# KiCad board data-center-dram-tester.kicad_pcb (continued)
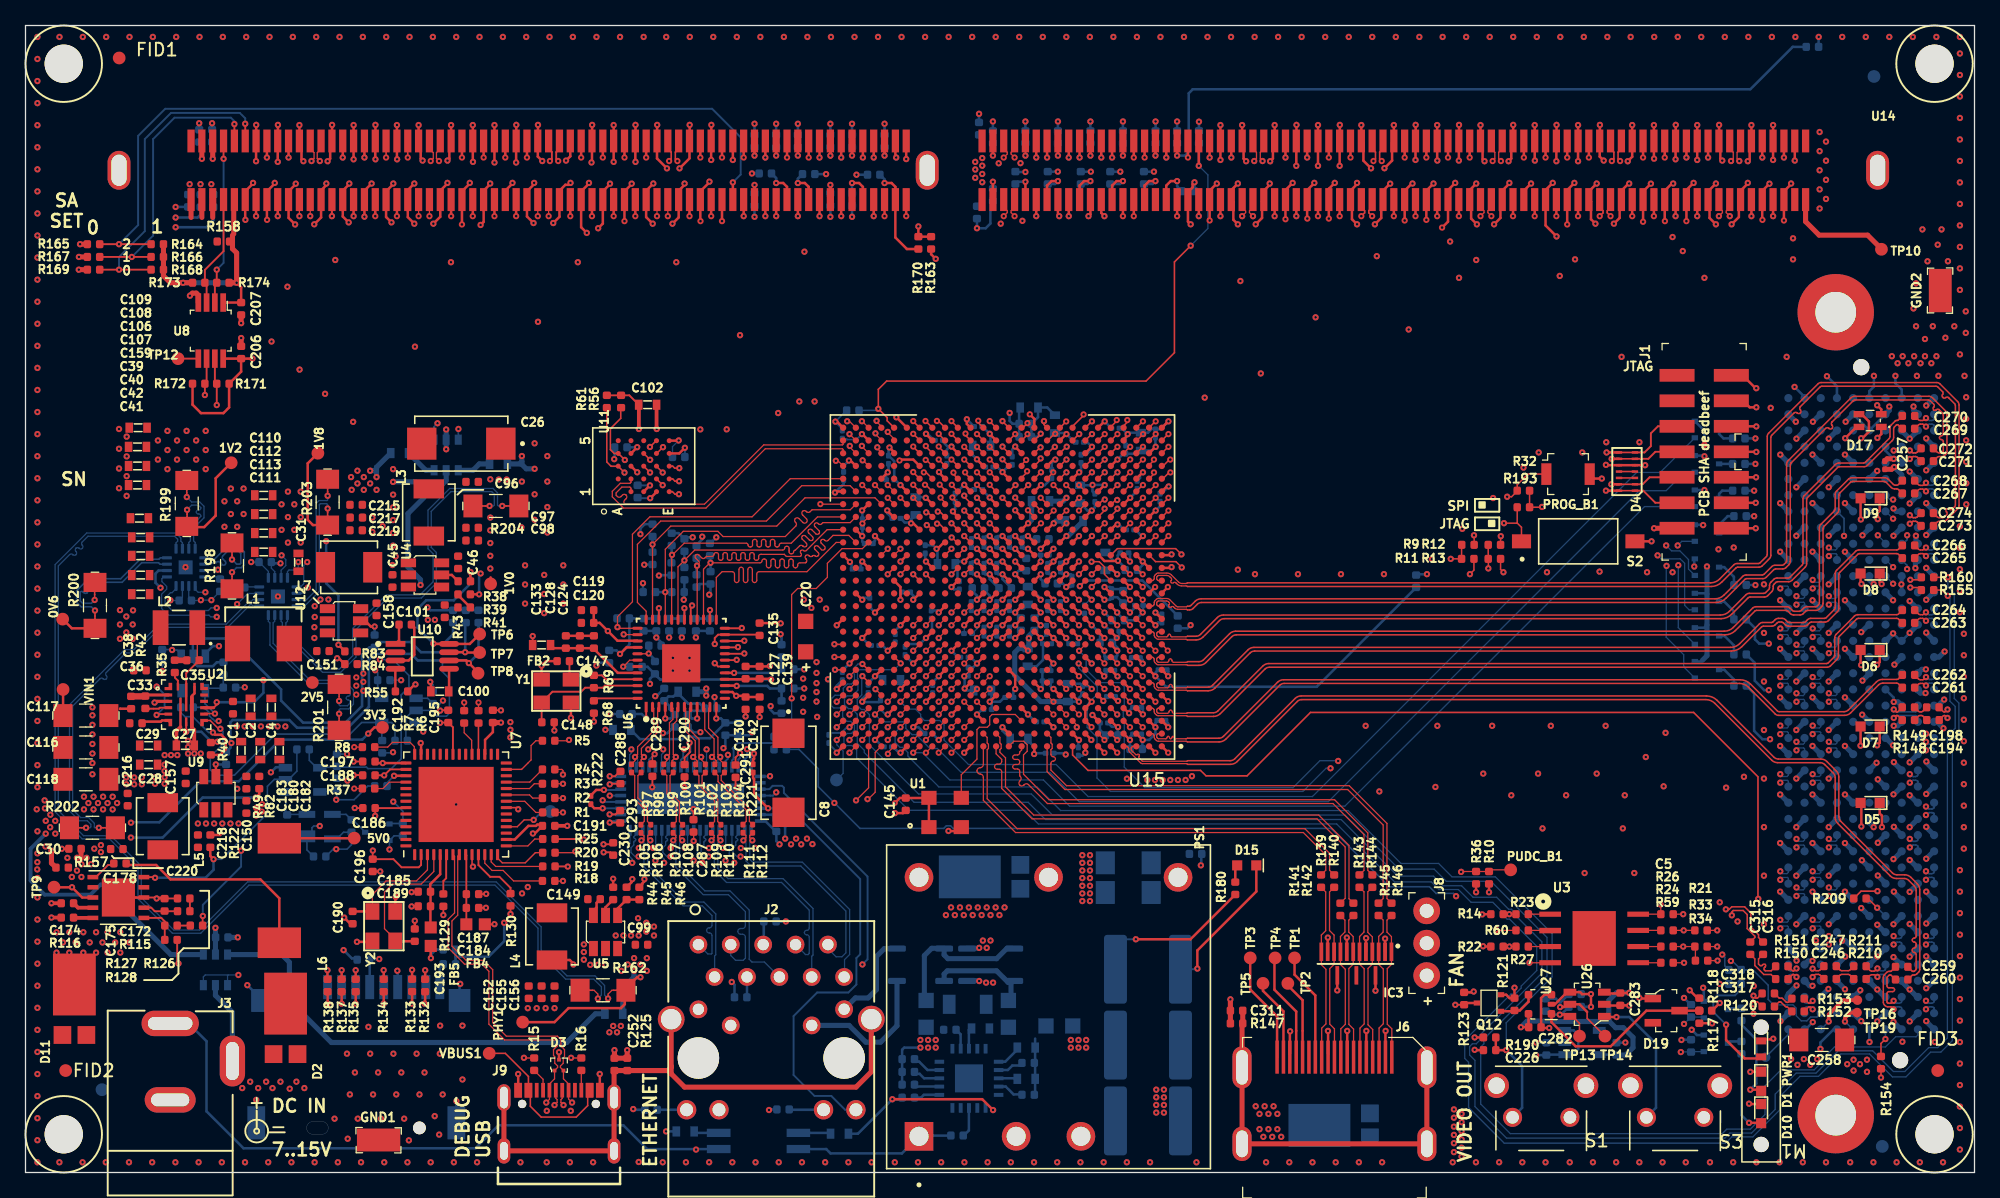
[diagram p0: board, top side]
## Footprints (pads in the part's own frame, mm; a bottom-side part is the same pattern mirrored in y, then rotated) (continued)

## Nets
1V0_SYS: C8.1 C14.1 C17.1 C20.1 C26.1 C50.1 C52.1 C54.1 C57.1 C58.1 C59.1 C60.1 C61.1 C62.1 C63.1 C64.1 C65.1 C66.1 C67.1 C68.1 C69.1 C70.1 C77.1 C144.1 C240.1 C241.1 C242.1 C243.1 C244.1 C245.1 NT14.2 R29.2 R204.2 U15.C6 U15.E6 U15.G6 U15.J6 U15.J9 U15.K8 U15.K10 U15.K12 U15.K14 U15.L6 U15.L9 U15.L13 U15.L15 U15.M8 U15.M14 U15.N9 U15.N13 U15.N15 U15.P14 U15.R13 U15.R15 U15.T12 U15.T14 U15.U13 U15.U15
1V2_SYS: C119.1 C120.1 C122.1 C126.1 C130.1 C135.1 C138.1 C141.1 C142.1 C248.1 C249.1 C250.1 C251.1 C253.1 C254.1 C255.1 C256.1 C314.1 FB2.2 FB3.2 NT16.2 PHY1.1 R113.2 R162.2 R207.2 U6.14 U6.18 U6.23 U6.26 U6.30 U6.39 U15.B3 U15.C2 U15.D3 U15.G2 U15.H3 U15.L2 U15.M3 U15.M5
1V8_FT: C195.1 C196.1 C197.1 U7.2 U7.31 U7.43
1V8_SYS: C7.1 C9.1 C11.1 C16.1 C19.1 C22.1 C25.1 C47.1 C48.1 C49.1 C51.1 C53.1 C55.1 C56.1 C114.1 C115.1 C238.1 C239.1 NT13.2 R17.2 R203.2 U15.E8 U15.L11 U15.M10 U15.M12 U15.N6 U15.P8 U15.P10 U15.R9 U15.T8 U15.T10 U15.U11
3V3_SYS: C3.1 C5.1 C6.1 C10.1 C12.1 C13.1 C15.1 C37.1 C78.1 C82.1 C83.1 C84.1 C85.1 C86.1 C87.1 C88.1 C89.1 C90.1 C91.1 C92.1 C93.1 C94.1 C95.1 C102.1 C103.1 C104.1 C105.1 C123.1 C127.1 C131.1 C136.1 C139.1 C145.1 C186.1 C188.1 C191.1 C192.1 C206.1 C230.1 C234.1 C235.1 C287.1 C288.1 C289.1 C290.1 C291.1 C292.1 C293.1 C298.1 C299.1 C300.1 C301.1 C302.1 C303.1 C304.1 C305.1 C306.1 C307.1 C308.1 C309.1 C310.1 D1.1 D5.1 D6.1 D7.1 D8.1 D9.1 D10.1 D17.1 FB1.1 FB4.1 FB5.1 IC3.13 IC3.15 J1.2 J5.C39 J5.D36 J5.D38 J5.D40 J7.4 NT12.2 PWR1.1 R9.2 R10.1 R12.2 R14.2 R21.1 R22.1 R28.1 R32.1 R33.1 R56.1 R57.1 R58.1 R61.1 R62.2 R67.2 R70.2 R71.2 R72.2 R73.2 R74.2 R75.2 R76.2 R78.2 R79.2 R80.2 R81.2 R114.2 R130.1 R131.1 R132.1 R133.1 R134.1 R135.1 R137.1 R138.1 R154.2 R155.1 R160.1 R171.1 R172.1 R186.2 R190.1 R193.2 R194.1 R195.1 R202.2 R208.2 R209.2 U1.1 U1.4 U3.8 U6.16 U6.34 U6.40 U7.16 U7.36 U7.44 U7.50 U8.8 U11.B4 U11.D1 U11.E4 U15.A11 U15.A21 U15.AA21 U15.AC25 U15.AD22 U15.AF26 U15.B8 U15.B18 U15.C15 U15.C25 U15.D12 U15.D22 U15.E9 U15.E19 U15.F16 U15.F26 U15.G13 U15.G23 U15.H10 U15.H20 U15.J17 U15.L7 U15.L21 U15.M18 U15.T6 U15.U23 U15.V20 U15.Y24 U16.4 U16.10 U16.18 U16.27 U16.38 U16.50 U16.56 U19.2 U19.6 U20.2
5V0_SYS: C1.1 C2.1 C4.1 C45.1 C99.1 C101.1 C150.1 C151.1 C232.1 C233.1 C236.1 C237.1 C275.1 C284.1 C285.1 J8.1 NT11.2 R40.2 R86.1 R87.1 R88.1 R192.1 R201.2 U2.13 U2.14 U4.3 U5.3 U9.3 U10.1 U12.3 U17.5 U18.4 U21.5 U22.5 U23.5 U24.5
5V_ON_OFF: C281.1 C282.1 C283.1 U25.5 U26.3 U27.5
/Ethernet/AVDDH: C132.1 C137.1 C140.1 FB1.2 U6.1 U6.12
/Ethernet/AVDDL: C121.1 C125.1 C129.1 C134.1 FB3.1 U6.4 U6.9
/Ethernet/AVDDL_PLL: C124.1 C128.1 C133.1 FB2.1 U6.44
/Ethernet/VDD: C222.1 C223.1 C224.1 C225.1 D14.K FB9.2 PS1.3 R175.2 R177.2 R180.2 R181.2 R182.2 U13.1
/Ethernet/VDD_RAW: D12.2 D13.2 FB9.1
/Ethernet/VSS: C222.2 D14.A FB10.2 R85.1 R156.1 R159.1 R161.1 R176.1 U13.4 U13.5 U13.21
/Ethernet/VSS_RAW: D12.1 D13.1 FB10.1
/Supply/1V0_SEN_+: NT10.1 U20.10
/Supply/1V0_SEN_-: NT14.1 U20.9
/Supply/1V8_SEN_+: NT9.1 U20.8
/Supply/1V8_SEN_-: NT13.1 U20.7
/Supply/3V3_SEN_+: NT8.1 U20.13
/Supply/3V3_SEN_-: NT12.1 U20.14
/Supply/5V0_SEN_+: NT7.1 U20.11
/Supply/5V0_SEN_-: NT11.1 U20.12
/Supply/VCC1V2_SEN_+: NT15.1 U19.10
/Supply/VCC1V2_SEN_-: NT16.1 U19.9
/Supply/VCC_AUX_EN: R48.1 R87.2 R197.1 TP7.1 U10.7 U17.1 U23.2
/Supply/VCC_INT_EN: R38.1 R86.2 TP6.1 U10.8 U17.3
/Supply/VCC_IO_EN: R44.1 R47.1 R88.2 R196.1 TP8.1 U10.6 U22.2 U24.1 U24.3
/Supply/VDDQ_SEN_+: NT2.1 U19.11
/Supply/VDDQ_SEN_-: NT4.1 U19.12
GND: C1.2 C2.2 C3.2 C4.2 C5.2 C6.2 C7.2 C8.2 C9.2 C10.2 C11.2 C12.2 C13.2 C14.2 C15.2 C16.2 C17.2 C18.2 C19.2 C20.2 C21.2 C22.2 C23.2 C24.2 C25.2 C26.2 C27.2 C28.2 C29.2 C30.2 C31.2 C32.2 C33.2 C34.2 C36.2 C37.2 C38.2 C39.2 C40.2 C41.2 C42.2 C43.2 C44.2 C45.2 C47.2 C48.2 C49.2 C50.2 C51.2 C52.2 C53.2 C54.2 C55.2 C56.2 C57.2 C58.2 C59.2 C60.2 C61.2 C62.2 C63.2 C64.2 C65.2 C66.2 C67.2 C68.2 C69.2 C70.2 C71.2 C72.2 C73.2 C74.2 C75.2 C76.2 C77.2 C78.2 C79.2 C80.2 C81.2 C82.2 C83.2 C84.2 C85.2 C86.2 C87.2 C88.2 C89.2 C90.2 C91.2 C92.2 C93.2 C94.2 C95.2 C96.2 C97.2 C98.2 C99.2 C100.1 C101.2 C102.2 C103.2 C104.2 C105.2 C106.2 C107.2 C108.2 C109.2 C110.2 C111.2 C112.2 C113.2 C114.2 C115.2 C116.2 C117.2 C118.2 C119.2 C120.2 C121.2 C122.2 C123.2 C124.2 C125.2 C126.2 C127.2 C128.2 C129.2 C130.2 C131.2 C132.2 C133.2 C134.2 C135.2 C136.2 C137.2 C138.2 C139.2 C140.2 C141.2 C142.2 C143.2 C144.2 C145.2 C146.2 C147.2 C148.2 C150.2 C151.2 C152.2 C153.2 C154.2 C155.2 C156.2 C159.2 C160.2 C161.2 C162.2 C163.2 C164.2 C165.2 C166.2 C167.2 C168.2 C169.2 C170.2 C171.2 C172.2 C173.2 C174.2 C175.2 C176.2 C177.2 C179.2 C180.2 C181.2 C182.2 C183.2 C184.2 C185.2 C186.2 C187.2 C188.2 C189.2 C190.2 C191.2 C192.2 C193.2 C195.2 C196.2 C197.2 C199.2 C200.2 C201.2 C202.2 C203.2 C204.2 C205.2 C206.2 C207.2 C208.2 C209.2 C210.2 C211.2 C212.2 C213.2 C214.2 C215.2 C216.2 C217.2 C218.2 C219.2 C220.2 C221.2 C226.2 C227.2 C228.2 C229.2 C230.2 C231.2 C232.2 C233.2 C234.2 C235.2 C236.2 C237.2 C238.2 C239.2 C240.2 C241.2 C242.2 C243.2 C244.2 C245.2 C248.2 C249.2 C250.2 C251.2 C252.1 C253.2 C254.2 C255.2 C256.2 C257.2 C258.2 C275.2 C276.2 C277.2 C278.2 C279.2 C280.2 C281.2 C282.2 C283.2 C284.2 C285.2 C286.2 C287.2 C288.2 C289.2 C290.2 C291.2 C292.2 C293.2 C294.2 C295.2 C296.2 C297.2 C298.2 C299.2 C300.2 C301.2 C302.2 C303.2 C304.2 C305.2 C306.2 C307.2 C308.2 C309.2 C310.2 C311.1 C312.2 C313.2 C314.2 D2.A D3.3 D4.5 D4.10 D19.1 GND1.1 GND2.1 IC1.8 IC1.11 IC3.2 IC3.5 IC3.8 IC3.11 J1.1 J1.3 J1.5 J1.7 J1.9 J1.11 J1.13 J3.2 J3.3 J5.A1 J5.A4 J5.A5 J5.A8 J5.A9 J5.A12 J5.A13 J5.A16 J5.A17 J5.A20 J5.A21 J5.A24 J5.A25 J5.A28 J5.A29 J5.A32 J5.A33 J5.A36 J5.A37 J5.A40 J5.B2 J5.B3 J5.B6 J5.B7 J5.B10 J5.B11 J5.B14 J5.B15 J5.B18 J5.B19 J5.B22 J5.B23 J5.B26 J5.B27 J5.B30 J5.B31 J5.B34 J5.B35 J5.B38 J5.B39 J5.C1 J5.C4 J5.C5 J5.C8 J5.C9 J5.C12 J5.C13 J5.C16 J5.C17 J5.C20 J5.C21 J5.C24 J5.C25 J5.C28 J5.C29 J5.C32 J5.C33 J5.C36 J5.C38 J5.C40 J5.D2 J5.D3 J5.D6 J5.D7 J5.D10 J5.D13 J5.D16 J5.D19 J5.D22 J5.D25 J5.D28 J5.D37 J5.D39 J5.E1 J5.E4 J5.E5 J5.E8 J5.E11 J5.E14 J5.E17 J5.E20 J5.E23 J5.E26 J5.E29 J5.E32 J5.E35 J5.E38 J5.E40 J5.F2 J5.F3 J5.F6 J5.F9 J5.F12 J5.F15 J5.F18 J5.F21 J5.F24 J5.F27 J5.F30 J5.F33 J5.F36 J5.F39 J5.G1 J5.G4 J5.G5 J5.G8 J5.G11 J5.G14 J5.G17 J5.G20 J5.G23 J5.G26 J5.G29 J5.G32 J5.G35 J5.G38 J5.G40 J5.H3 J5.H6 J5.H9 J5.H12 J5.H15 J5.H18 J5.H21 J5.H24 J5.H27 J5.H30 J5.H33 J5.H36 J5.H39 J5.J1 J5.J4 J5.J5 J5.J8 J5.J11 J5.J14 J5.J17 J5.J20 J5.J23 J5.J26 J5.J29 J5.J32 J5.J35 J5.J38 J5.J40 J5.K2 J5.K3 J5.K6 J5.K9 J5.K12 J5.K15 J5.K18 J5.K21 J5.K24 J5.K27 J5.K30 J5.K33 J5.K36 J5.K39 J6.2 J6.5 J6.8 J6.11 J6.17 J7.6 J7.10 J7.11 J7.12 J7.13 J8.3 J9.A1 J9.A12 J9.B1 J9.B12 PROG_B1.2 PS1.6 Q1.2 Q2.2 Q3.2 Q4.2 Q5.2 Q6.2 Q7.2 Q8.2 Q9.2 Q10.2 Q11.2 Q12.2 R11.2 R13.2 R15.1 R16.2 R34.2 R36.2 R43.2 R46.2 R55.2 R64.2 R66.2 R68.1 R77.2 R82.2 R84.2 R89.2 R90.2 R91.2 R92.2 R93.2 R94.2 R95.2 R96.2 R116.1 R119.2 R120.1 R121.2 R124.1 R125.1 R128.2 R129.1 R147.1 R165.2 R167.2 R169.2 R184.2 R185.1 R212.1 R213.2 R214.1 R215.1 R216.2 R217.2 S1.2 S1.SH S2.2 S3.2 S3.SH U1.2 U2.3 U2.9 U2.16 U3.4 U4.1 U5.1 U6.29 U6.49 U7.10 U7.21 U7.41 U7.45 U7.57 U8.4 U9.1 U10.3 U11.B3 U11.C1 U11.E5 U12.1 U14.2 U14.4 U14.6 U14.9 U14.11 U14.13 U14.15 U14.17 U14.20 U14.22 U14.24 U14.26 U14.28 U14.31 U14.33 U14.35 U14.37 U14.39 U14.42 U14.44 U14.46 U14.48 U14.50 U14.53 U14.55 U14.94 U14.96 U14.98 U14.101 U14.103 U14.105 U14.107 U14.109 U14.112 U14.114 U14.116 U14.118 U14.120 U14.123 U14.125 U14.127 U14.129 U14.131 U14.134 U14.136 U14.138 U14.147 U14.149 U14.151 U14.154 U14.156 U14.158 U14.160 U14.162 U14.165 U14.167 U14.169 U14.171 U14.173 U14.176 U14.178 U14.180 U14.182 U14.184 U14.187 U14.189 U14.191 U14.193 U14.195 U14.198 U14.200 U14.202 U14.239 U14.241 U14.243 U14.246 U14.248 U14.250 U14.252 U14.254 U14.257 U14.259 U14.261 U14.263 U14.265 U14.268 U14.270 U14.272 U14.274 U14.276 U14.279 U14.281 U14.283 U15.A1 U15.A2 U15.A5 U15.A6 U15.A7 U15.A16 U15.A26 U15.AA6 U15.AA16 U15.AA26 U15.AB3 U15.AB13 U15.AB23 U15.AC10 U15.AC20 U15.AD7 U15.AD17 U15.AE4 U15.AE14 U15.AE24 U15.AF1 U15.AF11 U15.AF21 U15.B4 U15.B7 U15.B13 U15.B23 U15.C1 U15.C5 U15.C7 U15.C10 U15.C20 U15.D4 U15.D7 U15.D17 U15.E1 U15.E2 U15.E5 U15.E7 U15.E14 U15.E24 U15.F3 U15.F4 U15.F7 U15.F11 U15.F21 U15.G1 U15.G5 U15.G8 U15.G18 U15.H4 U15.H7 U15.H15 U15.H25 U15.J1 U15.J2 U15.J5 U15.J12 U15.J22 U15.K3 U15.K4 U15.K7 U15.K9 U15.K11 U15.K13 U15.K19 U15.L1 U15.L5 U15.L10 U15.L12 U15.L14 U15.L16 U15.L26 U15.M4 U15.M7 U15.M9 U15.M11 U15.M13 U15.M15 U15.M23 U15.N1 U15.N2 U15.N5 U15.N7 U15.N10 U15.N11 U15.N12 U15.N14 U15.N20 U15.P3 U15.P4 U15.P9 U15.P11 U15.P12 U15.P13 U15.P15 U15.P17 U15.R1 U15.R2 U15.R5 U15.R8 U15.R10 U15.R11 U15.R12 U15.R14 U15.R24 U15.T1 U15.T3 U15.T4 U15.T9 U15.T11 U15.T13 U15.T15 U15.T21 U15.U8 U15.U10 U15.U12 U15.U14 U15.U18 U15.V5 U15.V15 U15.V25 U15.W2 U15.W12 U15.W22 U15.Y9 U15.Y19 U16.1 U16.6 U16.9 U16.13 U16.16 U16.19 U16.21 U16.24 U16.28 U16.33 U16.39 U16.44 U16.49 U16.53 U16.55 U16.57 U17.2 U18.1 U19.1 U19.3 U19.15 U19.17 U20.1 U20.3 U20.6 U20.15 U20.17 U21.3 U22.3 U23.3 U24.2 U25.2 U26.2 U27.3 Y1.2 Y1.4 Y2.2 Y2.4
GND1: C311.2 J6.SH R147.2
GNDD: C223.2 C224.2 C225.2 D15.2 PS1.2 R179.1 R183.1 U13.11 U13.12
GNDS: C252.2 J2.19 J2.20 J9.S1 R125.2
VBUS: J9.A4 J9.A9 J9.B4 J9.B9 VBUS1.1
VCC0V6: 0V6.1 C38.1 NT3.2 R42.2 R200.1 U2.2
VCC1V0: 1V0.1 C96.1 C97.1 C98.1 L3.2 NT10.2 R39.1 R204.1
VCC1V2: C152.1 C155.1 C156.1 L4.2 NT15.2 R45.1 R162.1
VCC1V8: 1V8.1 C215.1 C217.1 C219.1 L7.2 NT9.2 R83.1 R203.1
VCC2V5: 2V5.1 C31.1 L1.2 NT1.2 R198.1 U2.12
VCC3V3: 3V3.1 C216.1 C218.1 C220.1 L5.2 NT8.2 R49.1 R202.1
VCC5V0: 5V0.1 C180.1 C182.1 C183.1 L6.2 NT7.2 R122.1 R126.1 R201.1
VDD1V2: 1V2.1 C33.1 C39.1 C40.1 C41.1 C42.1 C159.1 L2.2 NT2.2 R199.1 U2.1 U2.5
VDDQ: C21.1 C23.1 C24.1 C32.1 C34.1 C43.1 C44.1 C71.1 C72.1 C73.1 C74.1 C75.1 C76.1 C79.1 C80.1 C81.1 C106.1 C107.1 C108.1 C109.1 C143.1 C153.1 C154.1 C160.1 C161.1 C162.1 C163.1 C164.1 C165.1 C166.1 C167.1 C168.1 C169.1 C170.1 C171.1 C173.1 C176.1 C177.1 C179.1 C181.1 C208.1 C209.1 C210.1 C211.1 C212.1 C213.1 C214.1 C231.1 C276.1 C277.1 C278.1 C279.1 C286.1 C294.1 C295.1 C296.1 C297.1 C313.1 NT4.2 R63.2 R65.1 R170.1 R199.2 U14.59 U14.61 U14.64 U14.67 U14.70 U14.73 U14.76 U14.80 U14.83 U14.85 U14.88 U14.90 U14.92 U14.204 U14.206 U14.209 U14.212 U14.215 U14.217 U14.220 U14.223 U14.226 U14.229 U14.231 U14.233 U14.236 U15.AA1 U15.AA11 U15.AB8 U15.AB18 U15.AC5 U15.AC15 U15.AD2 U15.AD12 U15.AE9 U15.AE19 U15.AF6 U15.AF16 U15.K24 U15.N25 U15.P22 U15.R19 U15.T16 U15.T26 U15.U3 U15.V10 U15.W7 U15.W17 U15.Y4 U15.Y14
VDDSPD: C207.1 R158.2 R164.1 R166.1 R168.1 R173.1 R174.1 U8.1 U14.284
VIN: C27.1 C28.1 C29.1 C30.1 C116.1 C117.1 C118.1 C280.1 D11.C D16.C D18.C IC1.2 R123.2 R157.1 U2.7 U25.1 U25.3 VIN1.1
VIN_POE: C227.1 C228.1 C229.1 D16.A PS1.4 R118.1
VIN_RAW: D11.A IC2.1 J3.1 R117.1
12P0V: C257.1 C258.1 D18.A J5.C35 J5.C37
/Ethernet/AMPS_CTL: R156.2 U13.8
/Ethernet/CLSA: R85.2 U13.3
/Ethernet/CLSB: R176.2 U13.6
/Ethernet/DEN: R175.1 U13.2
/Ethernet/ETH1_BP_N: R98.1 R106.2
/Ethernet/ETH1_BP_P: R97.2 R105.1
/Ethernet/ETH1_N: R98.2 U6.3 U16.3
/Ethernet/ETH1_P: R97.1 U6.2 U16.2
/Ethernet/ETH2_BP_N: R100.1 R108.2
/Ethernet/ETH2_BP_P: R99.2 R107.1
/Ethernet/ETH2_N: R100.2 U6.6 U16.8
/Ethernet/ETH2_P: R99.1 U6.5 U16.7
/Ethernet/ETH3_BP_N: R102.1 R110.2
/Ethernet/ETH3_BP_P: R101.2 R109.1
/Ethernet/ETH3_N: R102.2 U6.8 U16.12
/Ethernet/ETH3_P: R101.1 U6.7 U16.11
/Ethernet/ETH4_BP_N: R104.1 R112.2
/Ethernet/ETH4_BP_P: R103.2 R111.1
/Ethernet/ETH4_N: R104.2 U6.11 U16.15
/Ethernet/ETH4_P: R103.1 U6.10 U16.14
/Ethernet/INT_ETH1_N: J2.2 R106.1 U16.45
/Ethernet/INT_ETH1_P: J2.1 R105.2 U16.46
/Ethernet/INT_ETH2_N: J2.6 R108.1 U16.40
/Ethernet/INT_ETH2_P: J2.3 R107.2 U16.41
/Ethernet/INT_ETH3_N: J2.8 R110.1 U16.34
/Ethernet/INT_ETH3_P: J2.7 R109.2 U16.35
/Ethernet/INT_ETH4_N: J2.10 R112.1 U16.29
/Ethernet/INT_ETH4_P: J2.9 R111.2 U16.30
/Ethernet/IRSHDL_EN: R179.2 U13.16
/Ethernet/MPS_DUTY: R161.2 U13.9
/Ethernet/PAIR_12: D12.4 J2.11
/Ethernet/PAIR_36: D12.3 J2.12
/Ethernet/PAIR_78: D13.3 J2.13
/Ethernet/PAIR_910: D13.4 J2.14
/Ethernet/PG: R178.1 U13.13
/Ethernet/POE_ACTIVE: IC2.4 PS1.1 R178.2
/Ethernet/REF: R159.2 U13.7
/Ethernet/TPH: R177.1 U13.18
/Ethernet/TPL: R181.1 U13.17
/Ethernet/~{BT}: R182.1 U13.19
/FMC HPC/GTR_REFCLK0_R_N: J5.D5 R211.1
/FMC HPC/GTR_REFCLK0_R_P: J5.D4 R210.1
/FMC HPC/GTR_REFCLK1_R_N: J5.B21 R149.1
/FMC HPC/GTR_REFCLK1_R_P: J5.B20 R148.1
/FMC HPC/GTR_REFCLK2_R_N: J5.K5 R151.1
/FMC HPC/GTR_REFCLK2_R_P: J5.K4 R150.1
/FMC HPC/GTR_REFCLK3_R_N: J5.J3 R153.1
/FMC HPC/GTR_REFCLK3_R_P: J5.J2 R152.1
/FMC HPC/GTX_TX0_C_N: C260.1 J5.C3
/FMC HPC/GTX_TX0_C_P: C259.1 J5.C2
/FMC HPC/GTX_TX1_C_N: C262.1 J5.A23
/FMC HPC/GTX_TX1_C_P: C261.1 J5.A22
/FMC HPC/GTX_TX2_C_N: C264.1 J5.A27
/FMC HPC/GTX_TX2_C_P: C263.1 J5.A26
/FMC HPC/GTX_TX3_C_N: C266.1 J5.A31
/FMC HPC/GTX_TX3_C_P: C265.1 J5.A30
/FMC HPC/GTX_TX4_C_N: C268.1 J5.A35
/FMC HPC/GTX_TX4_C_P: C267.1 J5.A34
/FMC HPC/GTX_TX5_C_N: C270.1 J5.A39
/FMC HPC/GTX_TX5_C_P: C269.1 J5.A38
/FMC HPC/GTX_TX6_C_N: C272.1 J5.B37
/FMC HPC/GTX_TX6_C_P: C271.1 J5.B36
/FMC HPC/GTX_TX7_C_N: C274.1 J5.B33
/FMC HPC/GTX_TX7_C_P: C273.1 J5.B32
/FPGA banks 115-116/GTR_REFCLK0_N: C247.2 U15.H5
/FPGA banks 115-116/GTR_REFCLK0_P: C246.2 U15.H6
/FPGA banks 115-116/GTR_REFCLK1_N: C198.2 U15.K5
/FPGA banks 115-116/GTR_REFCLK1_P: C194.2 U15.K6
/FPGA banks 115-116/GTR_REFCLK2_N: C316.2 U15.D5
/FPGA banks 115-116/GTR_REFCLK2_P: C315.2 U15.D6
/FPGA banks 115-116/GTR_REFCLK3_N: C318.2 U15.F5
/FPGA banks 115-116/GTR_REFCLK3_P: C317.2 U15.F6
/Supply/FPGA_PWR_DIS: R212.2 U18.2 U21.1
/Supply/OUT: R218.2 R220.2 U26.4 U27.2
/Supply/PWR_SEQ_EN: R191.2 R213.1 U10.2 U21.4
/Supply/SLP_S4: R197.2 R216.1 U2.11 U23.4
/Supply/SYS_EN: IC1.3 Q12.3 R123.1 TP9.1
/Supply/SYS_PWR_GOOD: IC1.10 R122.2 R191.1 U21.2
/Supply/VPP_SEN_+: NT1.1 U19.13
/Supply/VPP_SEN_-: NT5.1 U19.14
/Supply/VTT_CNTL: R196.2 R217.1 U2.10 U22.4
/Supply/VTT_SEN_+: NT3.1 U19.8
/Supply/VTT_SEN_-: NT6.1 U19.7
/Supply/VTTREF: C36.1 U2.6
/Supply/~{CLR}: R219.2 R220.1 TP13.1 U26.6
/Supply/~{INT}: R218.1 R219.1 TP14.1 U26.5
A0: U14.79 U15.AF10
A1: U14.72 U15.AC11
A2: U14.216 U15.AD11
A3: U14.71 U15.AD10
A4: U14.214 U15.AC9
A5: U14.213 U15.AD9
A6: U14.69 U15.AB9
A7: U14.211 U15.AF7
A8: U14.68 U15.AE8
A9: U14.66 U15.AE7
A10\AP: U14.225 U15.Y12
A11: U14.210 U15.AB7
A12\~{BC}: U14.65 U15.AC7
A13: U14.232 U15.AD13
A17: U14.234 U15.AC13
AUX_JTAG_RST: J5.D34 R5.2 U15.G25
AUX_JTAG_TCK: J5.D29 R1.2 U15.C24
AUX_JTAG_TDI: J5.D30 R2.2 U15.D24
AUX_JTAG_TDO: J5.D31 R3.2 U15.C26
AUX_JTAG_TMS: J5.D33 R4.2 U15.D25
BA0: U14.81 U15.AB11
BA1: U14.224 U15.AB10
BG0: U14.63 U15.AA9
BG1: U14.207 U15.AF9
C_TMDS_CLK_N: IC3.12 J6.12 R139.2
C_TMDS_CLK_P: IC3.10 J6.10 R140.2
C_TMDS_D0_N: IC3.9 J6.9 R141.2
C_TMDS_D0_P: IC3.7 J6.7 R142.2
C_TMDS_D1_N: IC3.6 J6.6 R143.2
C_TMDS_D1_P: IC3.4 J6.4 R144.2
C_TMDS_D2_N: IC3.3 J6.3 R145.2
C_TMDS_D2_P: IC3.1 J6.1 R146.2
CB0: U14.49 U15.T18
CB1: U14.194 U15.U17
CB2: U14.56 U15.R22
CB3: U14.201 U15.T23
CB4: U14.47 U15.T17
CB5: U14.192 U15.U16
CB6: U14.54 U15.R21
CB7: U14.199 U15.T22
CCLK: R24.2 R33.2 R34.1 U15.C8
CFGBVS: R58.2 U15.P7
CK0_N: U14.75 U15.AF12
CK0_P: U14.74 U15.AE12
CK1_N: U14.219 U15.AC12
CK1_P: U14.218 U15.AB12
CKE0: U14.60 U15.AA8
CKE1\NC: U14.203 U15.AA7
CLK_DIR: J5.B1 U15.F24
DBG_USB_N: D3.1 J9.A7 J9.B7 U7.7
DBG_USB_P: D3.2 J9.A6 J9.B6 U7.8
DDR_PRESENCE: R185.2 R186.1 U14.57 U15.AF22
DONE: Q7.1 R57.2 U15.J7
DQ0: U14.5 U15.U5
DQ1: U14.150 U15.V6
DQ2: U14.12 U15.AB6
DQ3: U14.157 U15.AC6
DQ4: U14.3 U15.U7
DQ5: U14.148 U15.U6
DQ6: U14.10 U15.AA5
DQ7: U14.155 U15.AB5
DQ8: U14.16 U15.U2
DQ9: U14.161 U15.Y3
DQ10: U14.23 U15.AC3
DQ11: U14.168 U15.AC4
DQ12: U14.14 U15.W4
DQ13: U14.159 U15.V4
DQ14: U14.21 U15.AA4
DQ15: U14.166 U15.AB4
DQ16: U14.27 U15.V1
DQ17: U14.172 U15.Y2
DQ18: U14.34 U15.AC2
DQ19: U14.179 U15.AE1
DQ20: U14.25 U15.U1
DQ21: U14.170 U15.V2
DQ22: U14.32 U15.AB2
DQ23: U14.177 U15.AD1
DQ24: U14.38 U15.AE3
DQ25: U14.183 U15.AF3
DQ26: U14.45 U15.AD5
DQ27: U14.190 U15.AD6
DQ28: U14.36 U15.AE2
DQ29: U14.181 U15.AF2
DQ30: U14.43 U15.AE5
DQ31: U14.188 U15.AE6
DQ32: U14.97 U15.AF15
DQ33: U14.242 U15.AE16
DQ34: U14.104 U15.AF19
DQ35: U14.249 U15.AF20
DQ36: U14.95 U15.AF14
DQ37: U14.240 U15.AD14
DQ38: U14.102 U15.AF18
DQ39: U14.247 U15.AE18
DQ40: U14.108 U15.AB14
DQ41: U14.253 U15.AD19
DQ42: U14.115 U15.AC16
DQ43: U14.260 U15.AB15
DQ44: U14.106 U15.AC14
DQ45: U14.251 U15.AD16
DQ46: U14.113 U15.AC19
DQ47: U14.258 U15.AC17
DQ48: U14.119 U15.AA15
DQ49: U14.264 U15.AB17
DQ50: U14.126 U15.AA19
DQ51: U14.271 U15.AA20
DQ52: U14.117 U15.AA14
DQ53: U14.262 U15.AB16
DQ54: U14.124 U15.AB19
DQ55: U14.269 U15.AB20
DQ56: U14.130 U15.V14
DQ57: U14.275 U15.Y16
DQ58: U14.137 U15.W19
DQ59: U14.282 U15.V19
DQ60: U14.128 U15.W14
DQ61: U14.273 U15.Y15
DQ62: U14.135 U15.W18
DQ63: U14.280 U15.V18
DQS0_N: U14.152 U15.Y5
DQS0_P: U14.153 U15.Y6
DQS1_N: U14.163 U15.AA2
DQS1_P: U14.164 U15.AA3
DQS2_N: U14.174 U15.AC1
DQS2_P: U14.175 U15.AB1
DQS3_N: U14.185 U15.AF4
DQS3_P: U14.186 U15.AF5
DQS4_N: U14.244 U15.AF17
DQS4_P: U14.245 U15.AE17
DQS5_N: U14.255 U15.AD18
DQS5_P: U14.256 U15.AC18
DQS6_N: U14.266 U15.Y18
DQS6_P: U14.267 U15.Y17
DQS7_N: U14.277 U15.V17
DQS7_P: U14.278 U15.V16
DQS8_N: U14.196 U15.P20
DQS8_P: U14.197 U15.P19
DQS9_N: U14.8 U15.W5
DQS9_P: U14.7 U15.W6
DQS10_N: U14.19 U15.W3
DQS10_P: U14.18 U15.V3
DQS11_N: U14.30 U15.Y1
DQS11_P: U14.29 U15.W1
DQS12_N: U14.41 U15.AD3
DQS12_P: U14.40 U15.AD4
DQS13_N: U14.100 U15.AE15
DQS13_P: U14.99 U15.AD15
DQS14_N: U14.111 U15.AE20
DQS14_P: U14.110 U15.AD20
DQS15_N: U14.122 U15.AA18
DQS15_P: U14.121 U15.AA17
DQS16_N: U14.133 U15.W16
DQS16_P: U14.132 U15.W15
DQS17_N: U14.52 U15.R17
DQS17_P: U14.51 U15.R16
EMCCLK: EMCCLK1.1 U15.B26
ETH_INT_N: U6.38 U15.Y20
ETH_MDC: U6.36 U15.AA25
ETH_MDIO: R78.1 U6.37 U15.AB26
ETH_REF_CLK: R76.1 R94.1 U6.41 U15.AA23
ETH_RSTN: R79.1 U6.42 U15.AA22
ETH_RX_CLK: R75.1 R93.1 U6.35 U15.Y23
ETH_RX_DV: R74.1 R92.1 U6.33 U15.Y25
ETH_RXD0: R70.1 R77.1 U6.32 U15.W26
ETH_RXD1: R71.1 R89.1 U6.31 U15.W25
ETH_RXD2: R72.1 R90.1 U6.28 U15.V26
ETH_RXD3: R73.1 R91.1 U6.27 U15.U25
ETH_SEL: R206.1 U15.U24
ETH_TX_CLK: U6.24 U15.AA24
ETH_TX_EN: U6.25 U15.U26
ETH_TXD0: U6.19 U15.W24
ETH_TXD1: U6.20 U15.Y26
ETH_TXD2: U6.21 U15.Y22
ETH_TXD3: U6.22 U15.Y21
EXT_ETH1_N: J5.H8 U16.47
EXT_ETH1_P: J5.H7 U16.48
EXT_ETH2_N: J5.G10 U16.42
EXT_ETH2_P: J5.G9 U16.43
EXT_ETH3_N: J5.H11 U16.36
EXT_ETH3_P: J5.H10 U16.37
EXT_ETH4_N: J5.G13 U16.31
EXT_ETH4_P: J5.G12 U16.32
EXT_LED_LINK: J5.G6 U16.23
EXT_LED_SPD: J5.G7 U16.52
FCS_B: R14.1 R23.2 U15.C23
FMC_IO_0: J5.G33 U15.K15
FMC_IO_1_N: J5.G22 U15.B16
FMC_IO_1_P: J5.G21 U15.C16
FMC_IO_2_N: J5.G19 U15.A19
FMC_IO_2_P: J5.G18 U15.A18
FMC_IO_3_N: J5.H20 U15.A17
FMC_IO_3_P: J5.H19 U15.B17
FMC_IO_4_N: J5.H17 U15.B19
FMC_IO_4_P: J5.H16 U15.C19
FMC_IO_5_N: J5.J19 U15.C18
FMC_IO_5_P: J5.J18 U15.C17
FMC_IO_6_N: J5.G25 U15.D16
FMC_IO_6_P: J5.G24 U15.D15
FMC_IO_7_N: J5.H29 U15.G16
FMC_IO_7_P: J5.H28 U15.H16
FMC_IO_8_N: J5.G28 U15.F15
FMC_IO_8_P: J5.G27 U15.G15
FMC_IO_9_N: J5.G31 U15.J16
FMC_IO_9_P: J5.G30 U15.J15
FMC_IO_10_N: J5.H26 U15.E16
FMC_IO_10_P: J5.H25 U15.E15
FMC_IO_11_N: J5.K23 U15.F18
FMC_IO_11_P: J5.K22 U15.G17
FMC_IO_12_N: J5.J22 U15.E17
FMC_IO_12_P: J5.J21 U15.F17
FMC_IO_13_N: J5.K20 U15.D18
FMC_IO_13_P: J5.K19 U15.E18
FMC_IO_14_N: J5.J25 U15.H18
FMC_IO_14_P: J5.J24 U15.H17
FMC_IO_15_N: U15.D20
FMC_IO_15_P: U15.D19
FMC_IO_16_N: J5.K8 U15.F20
FMC_IO_16_P: J5.K7 U15.G19
FMC_IO_17_N: J5.K17 U15.E20
FMC_IO_17_P: J5.K16 U15.F19
FMC_IO_18_N: J5.J10 U15.G20
FMC_IO_18_P: J5.J9 U15.H19
FMC_IO_19_N: J5.H23 U15.J20
FMC_IO_19_P: J5.H22 U15.K20
FMC_IO_20_N: J5.K26 U15.J19
FMC_IO_20_P: J5.K25 U15.J18
FMC_IO_21_N: J5.K11 U15.L20
FMC_IO_21_P: J5.K10 U15.L19
FMC_IO_22_N: U15.K17
FMC_IO_22_P: U15.K16
FMC_IO_23_N: J5.J13 U15.L18
FMC_IO_23_P: J5.J12 U15.M17
FMC_IO_24_N: J5.J28 U15.K18
FMC_IO_24_P: J5.J27 U15.L17
FMC_IO_25: J5.K28 U15.M16
FMC_SCL_3V3: J5.C30 R155.2 U15.H22
FMC_SDA_3V3: J5.C31 R160.2 U15.G24
FPGA_POWER_CYCLE: Q11.1 R124.2 U15.G26
FPGA_SLP_S4: R214.2 U15.J26 U23.1
FPGA_VTT_CNTL: R215.2 U15.H26 U22.1
GCLK100: U1.3 U15.C12
GTR_REFCLK0_C_N: C247.1 R211.2
GTR_REFCLK0_C_P: C246.1 R210.2
GTR_REFCLK1_C_N: C198.1 R149.2
GTR_REFCLK1_C_P: C194.1 R148.2
GTR_REFCLK2_C_N: C316.1 R151.2
GTR_REFCLK2_C_P: C315.1 R150.2
GTR_REFCLK3_C_N: C318.1 R153.2
GTR_REFCLK3_C_P: C317.1 R152.2
GTX_RX0_N: J5.C7 U15.B5
GTX_RX0_P: J5.C6 U15.B6
GTX_RX1_N: J5.A3 U15.C3
GTX_RX1_P: J5.A2 U15.C4
GTX_RX2_N: J5.A7 U15.E3
GTX_RX2_P: J5.A6 U15.E4
GTX_RX3_N: J5.A11 U15.G3
GTX_RX3_P: J5.A10 U15.G4
GTX_RX4_N: J5.A15 U15.J3
GTX_RX4_P: J5.A14 U15.J4
GTX_RX5_N: J5.A19 U15.L3
GTX_RX5_P: J5.A18 U15.L4
GTX_RX6_N: J5.B17 U15.N3
GTX_RX6_P: J5.B16 U15.N4
GTX_RX7_N: J5.B13 U15.R3
GTX_RX7_P: J5.B12 U15.R4
GTX_TX0_N: C260.2 U15.A3
GTX_TX0_P: C259.2 U15.A4
GTX_TX1_N: C262.2 U15.B1
GTX_TX1_P: C261.2 U15.B2
GTX_TX2_N: C264.2 U15.D1
GTX_TX2_P: C263.2 U15.D2
GTX_TX3_N: C266.2 U15.F1
GTX_TX3_P: C265.2 U15.F2
GTX_TX4_N: C268.2 U15.H1
GTX_TX4_P: C267.2 U15.H2
GTX_TX5_N: C270.2 U15.K1
GTX_TX5_P: C269.2 U15.K2
GTX_TX6_N: C272.2 U15.M1
GTX_TX6_P: C271.2 U15.M2
GTX_TX7_N: C274.2 U15.P1
GTX_TX7_P: C273.2 U15.P2
HOT_SWAP_BUTTON: C226.1 R190.2 S1.1 U15.C21
HOT_SWAP_GREEN: Q9.1 U15.D23
HOT_SWAP_RED: Q10.1 U15.E21
HOT_SWAP_YELLOW: Q1.1 U15.A20
HR_CKN: U11.B1 U15.AE26
HR_CKP: U11.B2 U15.AD26
HR_CS: R61.2 U11.A3 U15.AC26
HR_DQ0: U11.D3 U15.AE23
HR_DQ1: U11.D2 U15.AD25
HR_DQ2: U11.C4 U15.AF24
HR_DQ3: U11.D4 U15.AE22
HR_DQ4: U11.D5 U15.AF23
HR_DQ5: U11.E3 U15.AF25
HR_DQ6: U11.E2 U15.AE25
HR_DQ7: U11.E1 U15.AD24
HR_RST: R56.2 U11.A4 U15.AC24
HR_RW: U11.C3 U15.AD23
INIT_B: Q8.1 R28.2 U15.G7
INT_LED_LINK: J2.18 R221.2 U16.26
INT_LED_SPD: J2.16 R222.1 U16.51
LED_LINK: R81.1 R96.1 R221.1 U6.17 U16.20
LED_SPD: R80.1 R95.1 R222.2 U6.15 U16.54
MODE0: R9.1 R11.1 U15.T5
MODE1: R12.1 R13.1 U15.T2
MODE2: R193.1 S2.1 U15.P5
NC: R157.2 TP10.1 U14.1 U14.145
NC\C2: U14.235 U15.W10
ODT0: U14.87 U15.Y13
ODT1\NC: U14.91 U15.W9
PARITY: U14.222 U15.AE13
PROGRAM_B: PROG_B1.1 R32.2 U15.P6
PRSNT_M2C: J5.H2 R205.1 R208.1 U15.E23
PUDC_B: PUDC_B1.1 R10.2 R36.1 U15.B25
QSPI_DQ0: R59.2 U15.B24
QSPI_DQ1: R60.2 U15.A25
QSPI_DQ2: R22.2 R27.2 U15.B22
QSPI_DQ3: R21.2 R26.2 U15.A22
SA0: R168.2 R169.1 U14.139
SA1: R166.2 R167.1 U14.140
SA2: R164.2 R165.1 U14.238
SCL_2V5: R174.2 U8.2 U14.141
SCL_3V3: R171.2 U8.7 U15.E25 U19.4 U20.4
SD_CD: R131.2 R136.1 U15.F9
SD_CLK: J7.5 R134.2 U15.D10
SD_CMD: J7.3 R135.2 U15.D8
SD_DAT0: J7.7 R133.2 U15.E10
